# Altium PCB 电解模块主控板_V1.1_ZM_20211015.PcbDoc (part 1 of 2)
Units mm, origin at the board's own origin, x right, y up, seen from the top; angles counter-clockwise.
Board outline 95.22 x 89.27 mm, 2 copper layers (Top Layer, Bottom Layer); 544 components, 330 nets, 1583 pads, 0 vias.
Unrouted connection lines stored in the file: 971.
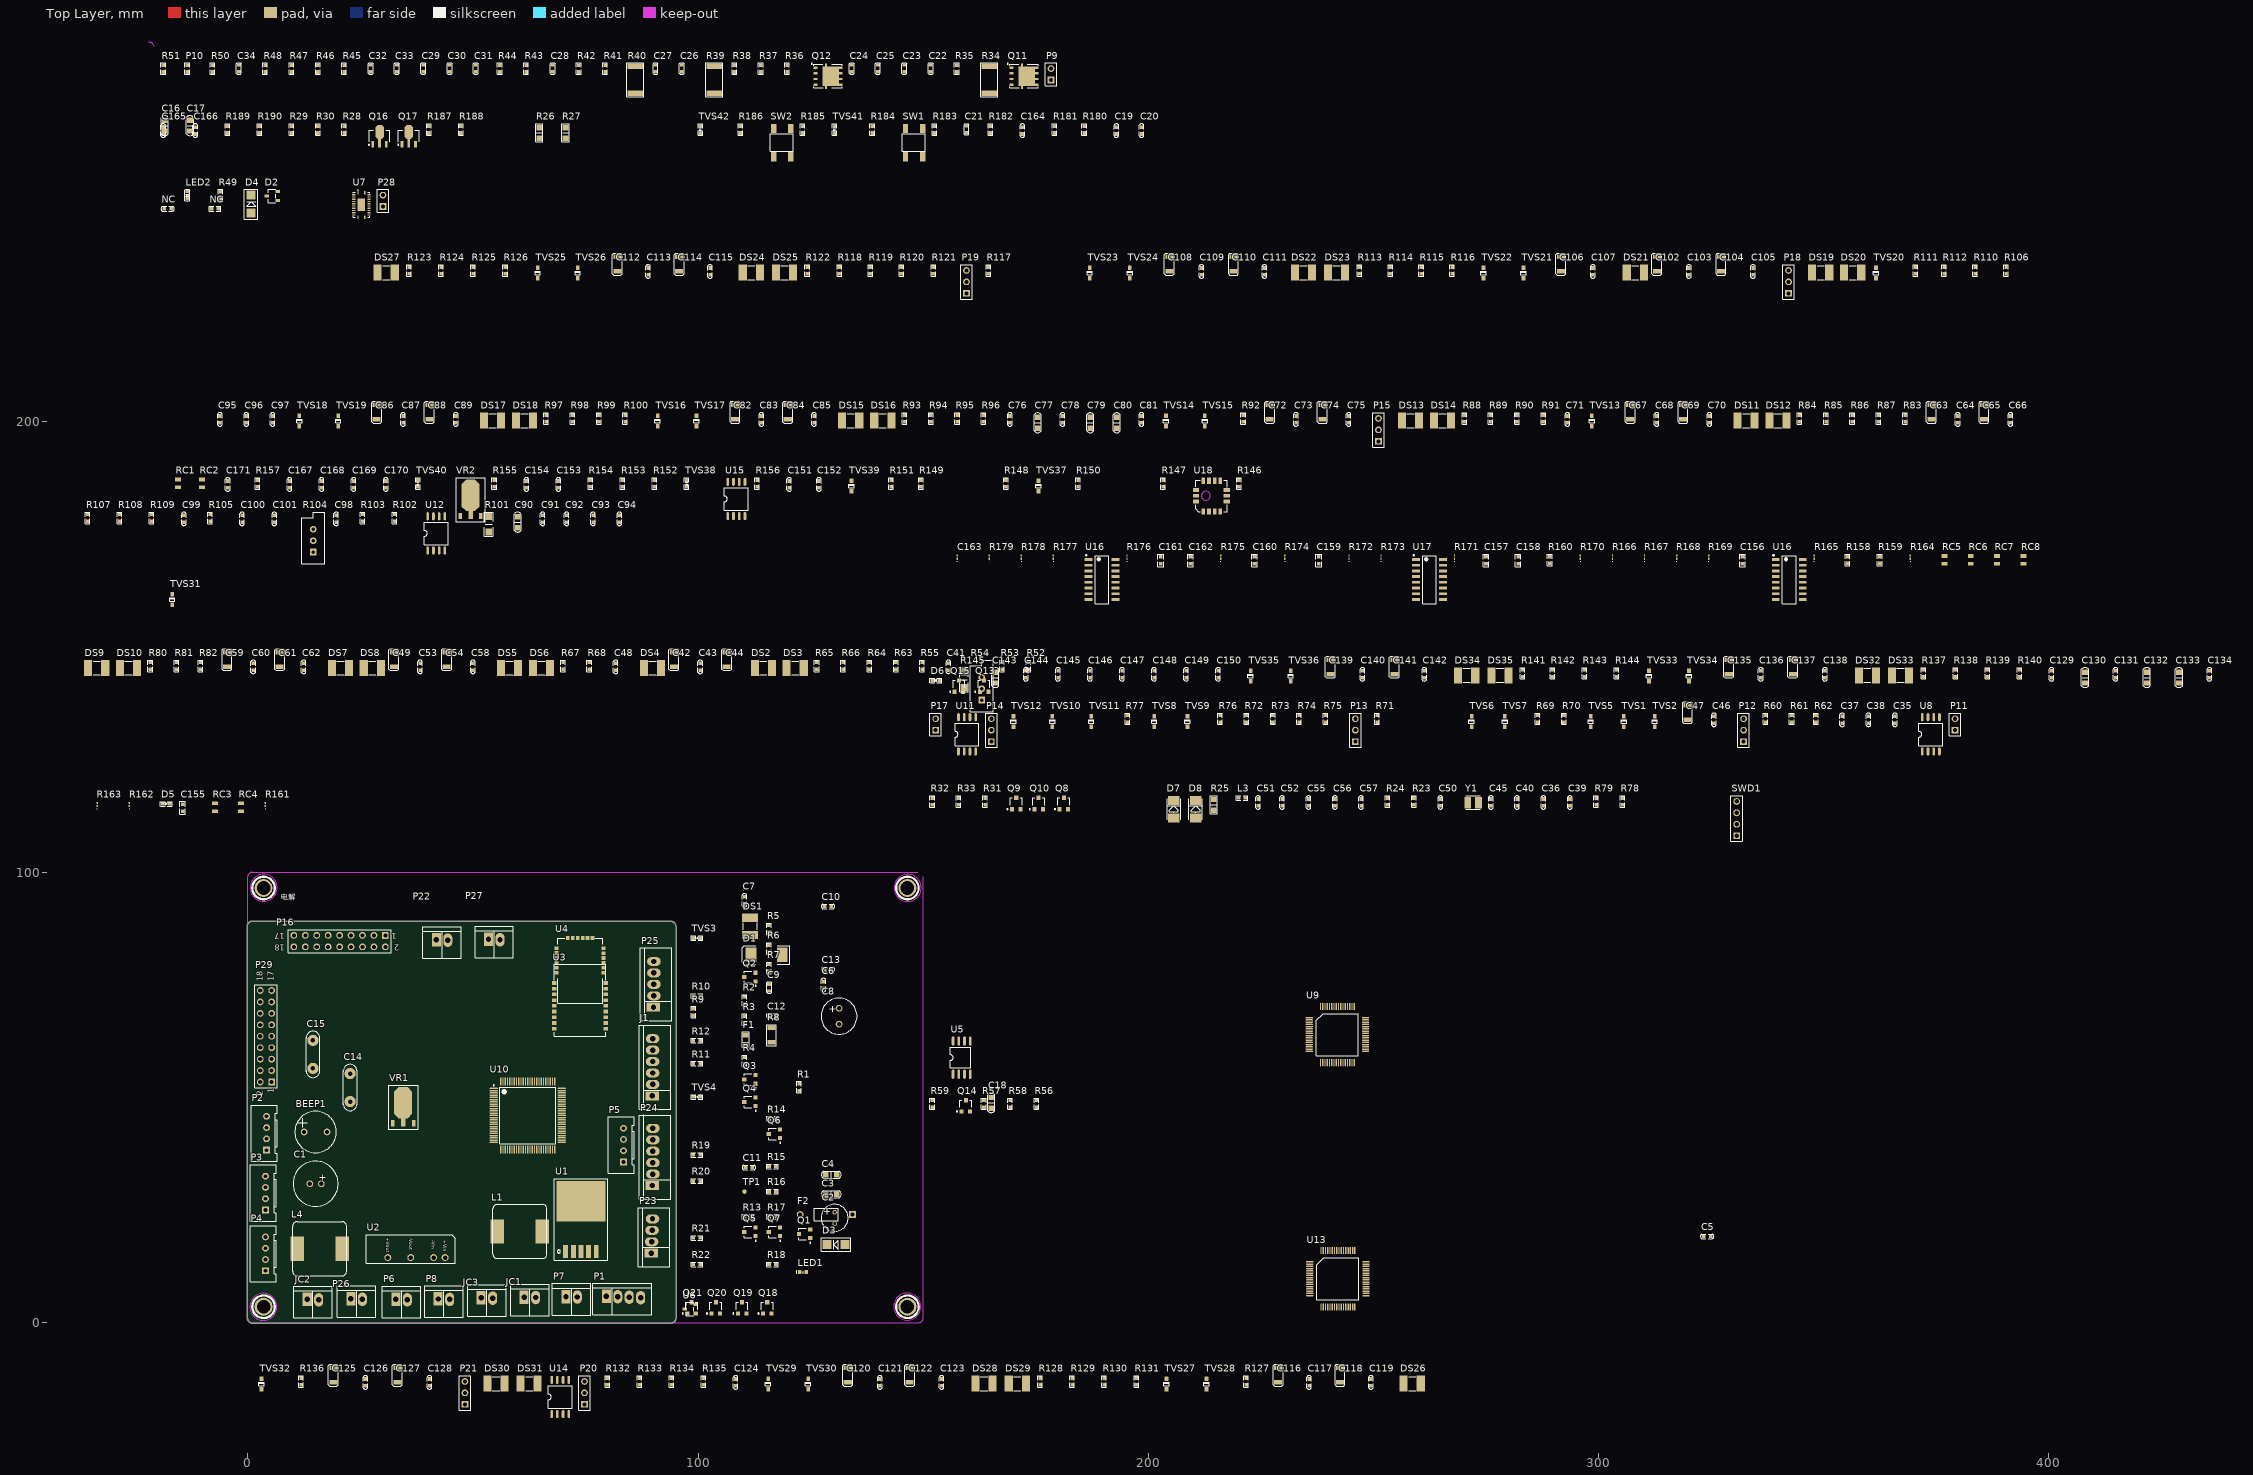
[diagram p0: Top Layer view]
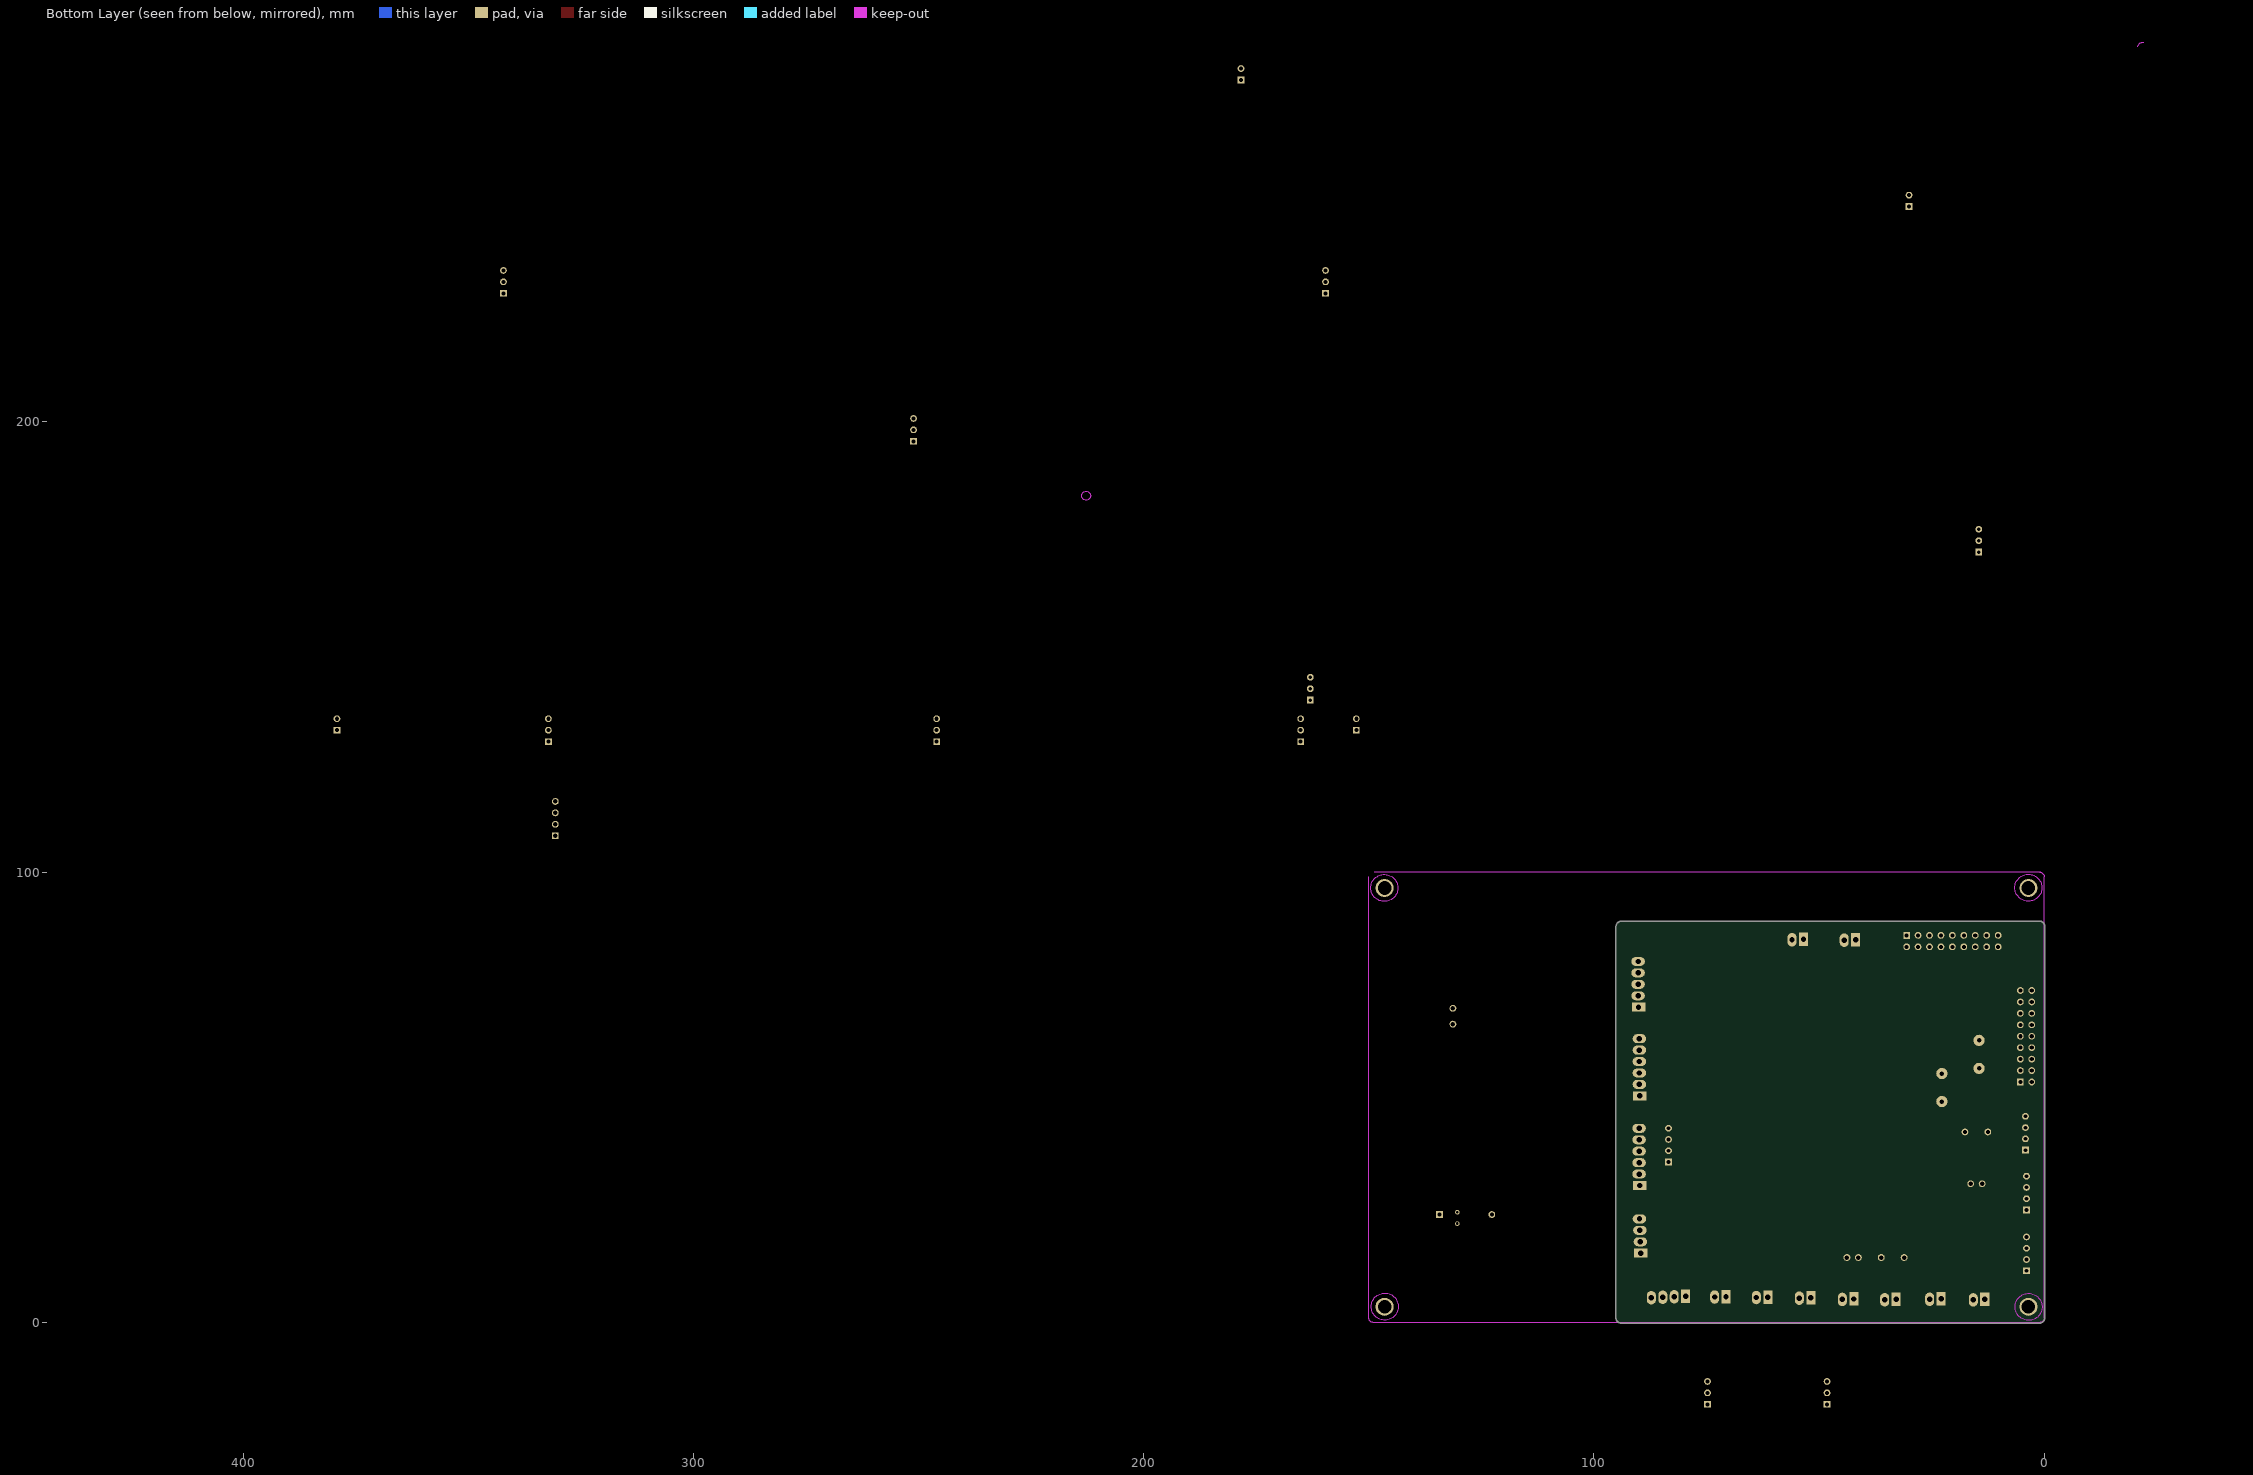
[diagram p1: Bottom Layer view, seen from below]

## Layer stack, top to bottom
Top Solder: solder mask 0.0102, Solder Resist, Dk 3.5
Top Layer: signal copper 0.0356
Dielectric1: dielectric 0.32, FR-4, Dk 4.8
Bottom Layer: signal copper 0.0356
Bottom Solder: solder mask 0.0102, Solder Resist, Dk 3.5

## Board outline
-0.111,1 -0.111,88 cw(c0.016,88) -0.111,88.005 -0.111,88.006 cw(c0.016,88.011) -0.111,88.011 cw(c1.016,88.011) 0.654,89.079 cw(c0.762,89.011) 0.762,89.138 93.689,89.138 cw(c93.839,87.87) 93.988,89.138 94,89.138 cw(c94,89.011) 94.044,89.13 cw(c93.839,87.87) 95.106,88.027 cw(c94.98,88.011) 95.107,88.011 cw(c94.98,88.011) 95.107,88.006 95.107,88.005 cw(c94.98,88) 95.107,88 95.107,1 cw(c93.98,1) 94.01,-0.127 cw(c94,0) 94,-0.127 1.016,-0.127 cw(c1.016,1)

## Design rules (kind name [scope] priority, off if disabled: settings)
Clearance Clearance_2 [InNet('NetC32_2')] p1: gap=0.508
Clearance Clearance_1 [InPolygon] p2: gap=0.381
Clearance [All] p3: gap=0.152
NetAntennae [All] p1: netantennaetolerance=5.08
PolygonConnect PolygonConnect_2 [InNet('NetC32_2')] p1: connectstyle=Direct reliefconductorwidth=0.254 reliefentries=4 polygonreliefangle="90 Angle" airgapwidth=0.254
PolygonConnect PolygonConnect_1 [isvia] p2: connectstyle=Direct reliefconductorwidth=0.254 reliefentries=4 polygonreliefangle="90 Angle" airgapwidth=0.254
PolygonConnect [All] p3: connectstyle=Relief reliefconductorwidth=0.254 reliefentries=4 polygonreliefangle="90 Angle" airgapwidth=0.254
RoutingVias [All] p1: holewidth=0.305 width=0.61 viastyle="Through Hole" minholewidth=0.203 minwidth=0.203 maxholewidth=5.08 maxwidth=5.08
SilkToSolderMaskClearance [IsPad] p1: minsilkscreentomaskgap=0.051 clearancetoexposedcopper=TRUE
SolderMaskExpansion [All] p1: expansion=0.102
Width [All] p1: maxlimit=9.144 minlimit=0.254 preferedwidth=0.254
28 further rules are at their usual default settings.

## Classes and differential pairs
component class 02_Power: C1 C2 C3 C4 C5 C6 C7 C8 C9 C10 C11 C12 C13 C14 C15 D1 D3 DS1 F1 F2 L1 LED1 P1 Q1 Q2 Q3 Q4 Q5 Q6 Q7 R1 R2 R3 R4 R5 R6 R7 R8 R13 R14 R15 R16 R17 R18 TP1 U1 U2 VR1
component class EEG&ECG: C35 C37 C38 C41 C42 C43 C44 C46 C47 C48 C49 C53 C54 C58 C59 C60 C61 C62 C63 C64 C65 C66 C67 C68 C69 C70 C71 C72 C73 C74 C75 C76 C77 C78 C79 C80 C81 C82 C83 C84 C85 C86 C87 C88 C89 C90 C91 C92 C93 C94 C95 C96 C97 C98 C99 C100 C101 C102 C103 C104 C105 C106 C107 C108 C109 C110 C111 C112 C113 C114 C115 C116 C117 C118 C119 C120 C121 C122 C123 C124 C125 C126 C127 C128 C129 C130 C131 C132 C133 C134 C135 C136 C137 C138 C139 C140 C141 C142 C143 C144 C145 C146 C147 C148 C149 C150 DS2 DS3 DS4 DS5 DS6 DS7 DS8 DS9 DS10 DS11 DS12 DS13 DS14 DS15 DS16 DS17 DS18 DS19 DS20 DS21 DS22 DS23 DS24 DS25 DS26 DS27 DS28 DS29 DS30 DS31 DS32 DS33 DS34 DS35 P11 P12 P13 P14 P15 P16 P17 P18 P19 P20 P21 P29 R52 R53 R54 R55 R60 R61 R62 R63 R64 R65 R66 R67 R68 R69 R70 R71 R72 R73 R74 R75 R76 R77 R80 R81 R82 R83 R84 R85 R86 R87 R88 R89 R90 R91 R92 R93 R94 R95 R96 R97 R98 R99 R100 R101 R102 R103 R104 R105 R106 R107 R108 R109 R110 R111 R112 R113 R114 R115 R116 R117 R118 R119 R120 R121 R122 R123 R124 R125 R126 R127 R128 R129 R130 R131 R132 R133 R134 R135 R136 R137 R138 R139 R140 R141 R142 R143 R144 R145 TP4 TVS1 TVS2 TVS5 TVS6 TVS7 TVS8 TVS9 TVS10 TVS11 TVS12 TVS13 TVS14 TVS15 TVS16 TVS17 TVS18 TVS19 TVS20 TVS21 TVS22 TVS23 TVS24 TVS25 TVS26 TVS27 TVS28 TVS29 TVS30 TVS31 TVS32 TVS33 TVS34 TVS35 TVS36 U8 U9 U11 U12 U13 U14
component class 05_USART: P2 P3 P4 P5 R9 R10 R11 R12 R19 R20 R21 R22 TVS3 TVS4
component class cpu: C19 C20 C21 C36 C39 C40 C45 C50 C51 C52 C55 C56 C57 C164 C165 C166 D7 D8 L3 P6 P7 P8 P22 P27 Q8 Q9 Q10 Q16 Q17 R23 R24 R25 R26 R27 R28 R29 R30 R31 R32 R33 R78 R79 R180 R181 R182 R183 R184 R185 R186 R187 R188 R189 R190 SW1 SW2 SWD1 TVS41 TVS42 U6 U10 Y1
component class Sensor: C151 C152 C153 C154 C155 C156 C157 C158 C159 C160 C161 C162 C163 C167 C168 C169 C170 C171 D5 D6 J1 JC1 JC2 JC3 NC P23 P24 P25 P26 Q13 Q15 Q18 Q19 Q20 Q21 R146 R147 R148 R149 R150 R151 R152 R153 R154 R155 R156 R157 R158 R159 R160 R161 R162 R163 R164 R165 R166 R167 R168 R169 R170 R171 R172 R173 R174 R175 R176 R177 R178 R179 RC1 RC2 RC3 RC4 RC5 RC6 RC7 RC8 TVS37 TVS38 TVS39 TVS40 U15 U16 U17 U18 VR2
component class Charger: C22 C23 C24 C25 C26 C27 C28 C29 C30 C31 C32 C33 C34 D2 D4 L4 LED2 P9 P10 P28 Q11 Q12 R34 R35 R36 R37 R38 R39 R40 R41 R42 R43 R44 R45 R46 R47 R48 R49 R50 R51 U7
component class BlueToothi: C16 C17 C18 U3 U4
component class 11_Speak: BEEP1 BP1 Q14 R56 R57 R58 R59
component class 13_SPI_Flash: NC U5

## Components (designator, comment, footprint, x,y, rotation, side; value= is the part's Value field where it differs from the comment)
BEEP1 "BEEP-9.5X5.5" BEEP-9.5X5.5 15.062,42.316 r0 top
C1 "1000uF/35V" 10*16 15.062,30.81 r0 top
C2 "100uF/35V" 6*8 130.327,23.241 r90 top
C3 "104 50V" SMD-0805C 129.591,28.499 r180 top
C4 "104 50V" SMD-0805C 129.591,32.817 r180 top
C5 "10uF 25V" SMD-0603C 324.104,19.126 r0 top
C6 "10uF25V" SMD-0603C 127.864,74.955 r90 top
C7 "104 50V" SMD-0603C 110.312,93.751 r90 top
C8 "470uF/25V" 8*12 131.318,68.021 r90 top
C9 "0.1uF/ 25V" 0603C 115.773,73.635 r90 top
C10 "104 50V" SMD-0603C 128.854,92.405 r180 top
C11 "10uF 25V" SMD-0603C 111.303,34.442 r180 top
C12 "0.1uF/ 25V" 0603C 117.221,68.097 r180 top
C13 "104 50V" SMD-0603C 128.854,78.41 r180 top
C14 "1nF/4kV" CY1 22.733,49.073 r90 top
C15 "1nF/4kV" CY1 14.478,56.439 r90 top
C16 "22uF 25V" SMD-0805C -18.44,265.811 r90 top
C17 "22uF 25V" SMD-0805C -12.852,265.811 r90 top
C18 "0.1uF 25V" SMD-0805C 165.125,48.819 r90 top
C19 "0.1uF/25V" SMD-0603C 192.888,264.719 r90 top
C20 "0.1uF/25V" SMD-0603C 198.501,264.719 r90 top
C21 "0.1uF" 0603C 159.614,264.236 r90 top
C22 "0.1uF/ 25V" 0603C 151.638,277.774 r90 top
C23 "0.1uF/ 25V" 0603C 145.796,277.774 r90 top
C24 "2.2uF/ 25V" 0603C 134.112,277.774 r90 top
C25 "10uF/ 25V" 0603C 139.954,277.774 r90 top
C26 "1uF/ 25V" 0603C 96.393,277.774 r90 top
C27 "0.1uF/ 25V" 0603C 90.551,277.774 r90 top
C28 "0.1uF/ 25V" 0603C 67.691,277.774 r90 top
C29 "0.047uF/ 25V" 0603C 38.964,277.774 r90 top
C30 "10uF/ 25V" 0603C 44.806,277.774 r90 top
C31 "10uF/ 25V" 0603C 50.648,277.774 r90 top
C32 "1uF/ 25V" 0603C 27.28,277.774 r90 top
C33 "1uF/ 25V" 0603C 33.122,277.774 r90 top
C34 "0.1uF/ 25V" 0603C -1.956,277.774 r90 top
C35 "0.1uF/50V" SMD-0603C 365.811,133.858 r90 top
C36 "12P/50V" SMD-0603C 287.757,115.494 r90 top
C37 "1.5nF/50V" SMD-0603C 354.101,133.858 r90 top
C38 "1uF/50V" SMD-0603C 359.943,133.858 r90 top
C39 "4.7uF/10V/NC" SMD-0603C 293.624,115.494 r90 top
C40 "1uF/50V" SMD-0603C 281.915,115.494 r90 top
C41 "0.11uF/50V" SMD-0603C 155.6,145.618 r90 top
C42 "47pF/2KV" 1206c 94.64,145.618 r90 top
C43 "47pF/50V/X5R" SMD-0603C 100.482,145.618 r90 top
C44 "47pF/2KV" 1206c 106.35,145.618 r90 top
C45 "4.7uF/10V/NC" SMD-0603C 276.073,115.494 r90 top
C46 "47pF/50V/X5R" SMD-0603C 325.603,133.858 r90 top
C47 "47pF/2KV" 1206c 319.735,133.858 r90 top
C48 "47pF/50V/X5R" SMD-0603C 81.712,145.618 r90 top
C49 "47pF/2KV" 1206c 32.436,145.618 r90 top
C50 "12P/50V" SMD-0603C 264.846,115.494 r90 top
C51 "0.1uF/50V" SMD-0603C 224.384,115.494 r90 top
C52 "0.1uF/50V" SMD-0603C 229.718,115.494 r90 top
C53 "47pF/50V/X5R" SMD-0603C 38.278,145.618 r90 top
C54 "47pF/2KV" 1206c 44.145,145.618 r90 top
C55 "0.1uF/50V" SMD-0603C 235.585,115.494 r90 top
C56 "0.1uF/50V" SMD-0603C 241.427,115.494 r90 top
C57 "0.1uF/50V" SMD-0603C 247.269,115.494 r90 top
C58 "47pF/50V/X5R" SMD-0603C 49.987,145.618 r90 top
C59 "47pF/2KV" 1206c -4.623,145.618 r90 top
C60 "47pF/50V/X5R" SMD-0603C 1.219,145.618 r90 top
C61 "47pF/2KV" 1206c 7.087,145.618 r90 top
C62 "47pF/50V/X5R" SMD-0603C 12.421,145.618 r90 top
C63 "47pF/2KV" 1206c 373.913,200.558 r90 top
C64 "47pF/50V/X5R" SMD-0603C 379.755,200.558 r90 top
C65 "47pF/2KV" 1206c 385.597,200.558 r90 top
C66 "47pF/50V/X5R" SMD-0603C 391.465,200.558 r90 top
C67 "47pF/2KV" 1206c 307.035,200.558 r90 top
C68 "47pF/50V/X5R" SMD-0603C 312.903,200.558 r90 top
C69 "47pF/2KV" 1206c 318.745,200.558 r90 top
C70 "47pF/50V/X5R" SMD-0603C 324.612,200.558 r90 top
C71 "0.1uF/50V" SMD-0603C 293.065,200.558 r90 top
C72 "47pF/2KV" 1206c 226.949,200.558 r90 top
C73 "47pF/50V/X5R" SMD-0603C 232.791,200.558 r90 top
C74 "47pF/2KV" 1206c 238.658,200.558 r90 top
C75 "47pF/50V/X5R" SMD-0603C 244.5,200.558 r90 top
C76 "0.1uF/50V" SMD-0603C 169.24,200.558 r90 top
C77 "10uF/50V" SMD-0805C 175.412,199.822 r90 top
C78 "1uF/50V" SMD-0603C 180.95,200.558 r90 top
C79 "22uF/25V" SMD-0805C 187.122,199.822 r90 top
C80 "22uF/25V" SMD-0805C 192.964,199.822 r90 top
C81 "1uF/50V" SMD-0603C 198.476,200.558 r90 top
C82 "47pF/2KV" 1206c 108.204,200.558 r90 top
C83 "47pF/50V/X5R" SMD-0603C 114.071,200.558 r90 top
C84 "47pF/2KV" 1206c 119.913,200.558 r90 top
C85 "47pF/50V/X5R" SMD-0603C 125.781,200.558 r90 top
C86 "47pF/2KV" 1206c 28.626,200.558 r90 top
C87 "47pF/50V/X5R" SMD-0603C 34.493,200.558 r90 top
C88 "47pF/2KV" 1206c 40.335,200.558 r90 top
C89 "47pF/50V/X5R" SMD-0603C 46.203,200.558 r90 top
C90 "10uF/50V" SMD-0805C 59.944,177.749 r90 top
C91 "0.1uF/50V" SMD-0603C 65.481,178.486 r90 top
C92 "1uF/50V" SMD-0603C 70.815,178.486 r90 top
C93 "0.1uF/50V" SMD-0603C 76.683,178.486 r90 top
C94 "0.1uF/50V" SMD-0603C 82.525,178.486 r90 top
C95 "0.1uF/50V" SMD-0603C -6.198,200.558 r90 top
C96 "0.1uF/50V" SMD-0603C -0.33,200.558 r90 top
C97 "0.1uF/50V" SMD-0603C 5.512,200.558 r90 top
C98 "0.1uF/50V" SMD-0603C 19.634,178.486 r90 top
C99 "1.5nF/50V" SMD-0603C -14.199,178.486 r90 top
C100 "1uF/50V" SMD-0603C -1.245,178.486 r90 top
C101 "0.11uF/50V" SMD-0603C 5.893,178.486 r90 top
C102 "47pF/2KV" 1206c 312.928,233.426 r90 top
C103 "47pF/50V/X5R" SMD-0603C 320.065,233.426 r90 top
C104 "47pF/2KV" 1206c 327.177,233.426 r90 top
C105 "47pF/50V/X5R" SMD-0603C 334.289,233.426 r90 top
C106 "47pF/2KV" 1206c 291.617,233.426 r90 top
C107 "47pF/50V/X5R" SMD-0603C 298.729,233.426 r90 top
C108 "47pF/2KV" 1206c 204.673,233.426 r90 top
C109 "47pF/50V/X5R" SMD-0603C 211.811,233.426 r90 top
C110 "47pF/2KV" 1206c 218.923,233.426 r90 top
C111 "47pF/50V/X5R" SMD-0603C 225.781,233.426 r90 top
C112 "47pF/2KV" 1206c 82.067,233.426 r90 top
C113 "47pF/50V/X5R" SMD-0603C 88.925,233.426 r90 top
C114 "47pF/2KV" 1206c 95.809,233.426 r90 top
C115 "47pF/50V/X5R" SMD-0603C 102.667,233.426 r90 top
C116 "47pF/2KV" 1206c 228.829,-13.31 r90 top
C117 "47pF/50V/X5R" SMD-0603C 235.712,-13.31 r90 top
C118 "47pF/2KV" 1206c 242.57,-13.31 r90 top
C119 "47pF/50V/X5R" SMD-0603C 249.428,-13.31 r90 top
C120 "47pF/2KV" 1206c 133.248,-13.31 r90 top
C121 "47pF/50V/X5R" SMD-0603C 140.386,-13.31 r90 top
C122 "47pF/2KV" 1206c 146.99,-13.31 r90 top
C123 "47pF/50V/X5R" SMD-0603C 154.102,-13.31 r90 top
C124 "0.1uF/50V" SMD-0603C 108.356,-13.31 r90 top
C125 "47pF/2KV" 1206c 18.999,-13.31 r90 top
C126 "47pF/50V/X5R" SMD-0603C 26.111,-13.31 r90 top
C127 "47pF/2KV" 1206c 33.223,-13.31 r90 top
C128 "47pF/50V/X5R" SMD-0603C 40.361,-13.31 r90 top
C129 "0.1uF/50V" SMD-0603C 400.583,143.967 r90 top
C130 "10uF/50V" SMD-0805C 408.026,143.231 r90 top
C131 "1uF/50V" SMD-0603C 414.833,143.967 r90 top
C132 "22uF/25V" SMD-0805C 421.767,143.231 r90 top
C133 "22uF/25V" SMD-0805C 428.879,143.231 r90 top
C134 "1uF/50V" SMD-0603C 435.661,143.967 r90 top
C135 "47pF/2KV" 1206c 328.905,143.967 r90 top
C136 "47pF/50V/X5R" SMD-0603C 336.017,143.967 r90 top
C137 "47pF/2KV" 1206c 343.129,143.967 r90 top
C138 "47pF/50V/X5R" SMD-0603C 350.266,143.967 r90 top
C139 "47pF/2KV" 1206c 240.436,143.967 r90 top
C140 "47pF/50V/X5R" SMD-0603C 247.548,143.967 r90 top
C141 "47pF/2KV" 1206c 254.66,143.967 r90 top
C142 "47pF/50V/X5R" SMD-0603C 261.29,143.967 r90 top
C143 "10uF/50V" SMD-0805C 166.014,143.231 r90 top
C144 "0.1uF/50V" SMD-0603C 172.796,143.967 r90 top
C145 "1uF/50V" SMD-0603C 179.934,143.967 r90 top
C146 "0.1uF/50V" SMD-0603C 187.046,143.967 r90 top
C147 "0.1uF/50V" SMD-0603C 194.158,143.967 r90 top
C148 "0.1uF/50V" SMD-0603C 201.295,143.967 r90 top
C149 "0.1uF/50V" SMD-0603C 208.407,143.967 r90 top
C150 "0.1uF/50V" SMD-0603C 215.519,143.967 r90 top
C151 "47pF/50V/X5R" SMD-0603C 120.244,186.131 r90 top
C152 "0.1uF/50V/X5R" SMD-0603C 126.848,186.131 r90 top
C153 "47pF/50V/X5R" SMD-0603C 68.986,186.131 r90 top
C154 "47pF/50V/X5R" SMD-0603C 61.874,186.131 r90 top
C155 "0.1uF" C0603 -14.478,114.325 r90 top
C156 "0.47uF" C0603 331.953,169.266 r90 top
C157 "330NF" C0603 275.006,169.266 r90 top
C158 "330NF" C0603 282.118,169.266 r90 top
C159 "10uF" C0603 237.846,169.266 r90 top
C160 "0.1uF" C0603 223.596,169.266 r90 top
C161 "330NF" C0603 202.768,169.266 r90 top
C162 "330NF" C0603 209.372,169.266 r90 top
C163 "10nF" 0603 157.556,169.977 r90 top
C164 "0.1uF/25V" SMD-0603C 172.034,264.719 r90 top
C165 "1uF/50V/X5R" SMD-0603C -18.771,264.719 r90 top
C166 "1uF/50V/X5R" SMD-0603C -11.659,264.719 r90 top
C167 "104 50V" SMD-0603C 9.296,186.131 r90 top
C168 "10uF 25V" SMD-0603C 16.408,186.131 r90 top
C169 "10uF 10V" SMD-0603C 23.52,186.131 r90 top
C170 "0.1uF/50V/X5R" SMD-0603C 30.658,186.131 r90 top
C171 "104 50V" SMD-0603C -4.445,186.131 r90 top
D1 "SMCJ12CA" SMC 115.24,81.661 r180 top
D2 "BAT54C" SOT23-3 6.68,249.174 r0 top
D3 "SS34" SMA 132.639,17.323 r180 top
D4 "SS34" SMA 0.737,246.355 r90 top
D5 "LED" LED0603 -18.11,115.189 r0 top
D6 "LED" LED0603 152.806,142.57 r0 top
D7 "1N4007" DO-214-AC 205.664,113.97 r90 top
D8 "1N4007" DO-214-AC 210.515,113.97 r90 top
DS1 "UN1812-90CSMD" SMD-1812 111.557,87.986 r90 top
DS2 "UN1812-90CSMD" SMD-1812 114.503,145.364 r0 top
DS3 "UN1812-90CSMD" SMD-1812 121.564,145.364 r0 top
DS4 "UN1812-90CSMD" SMD-1812 89.865,145.364 r0 top
DS5 "UN1812-90CSMD" SMD-1812 58.141,145.364 r0 top
DS6 "UN1812-90CSMD" SMD-1812 65.227,145.364 r0 top
DS7 "UN1812-90CSMD" SMD-1812 20.574,145.364 r0 top
DS8 "UN1812-90CSMD" SMD-1812 27.661,145.364 r0 top
DS9 "UN1812-90CSMD" SMD-1812 -33.553,145.364 r0 top
DS10 "UN1812-90CSMD" SMD-1812 -26.492,145.364 r0 top
DS11 "UN1812-90CSMD" SMD-1812 332.765,200.304 r0 top
DS12 "UN1812-90CSMD" SMD-1812 339.827,200.304 r0 top
DS13 "UN1812-90CSMD" SMD-1812 258.242,200.304 r0 top
DS14 "UN1812-90CSMD" SMD-1812 265.354,200.304 r0 top
DS15 "UN1812-90CSMD" SMD-1812 133.909,200.304 r0 top